# KiCad board ECU.kicad_pcb (continued)
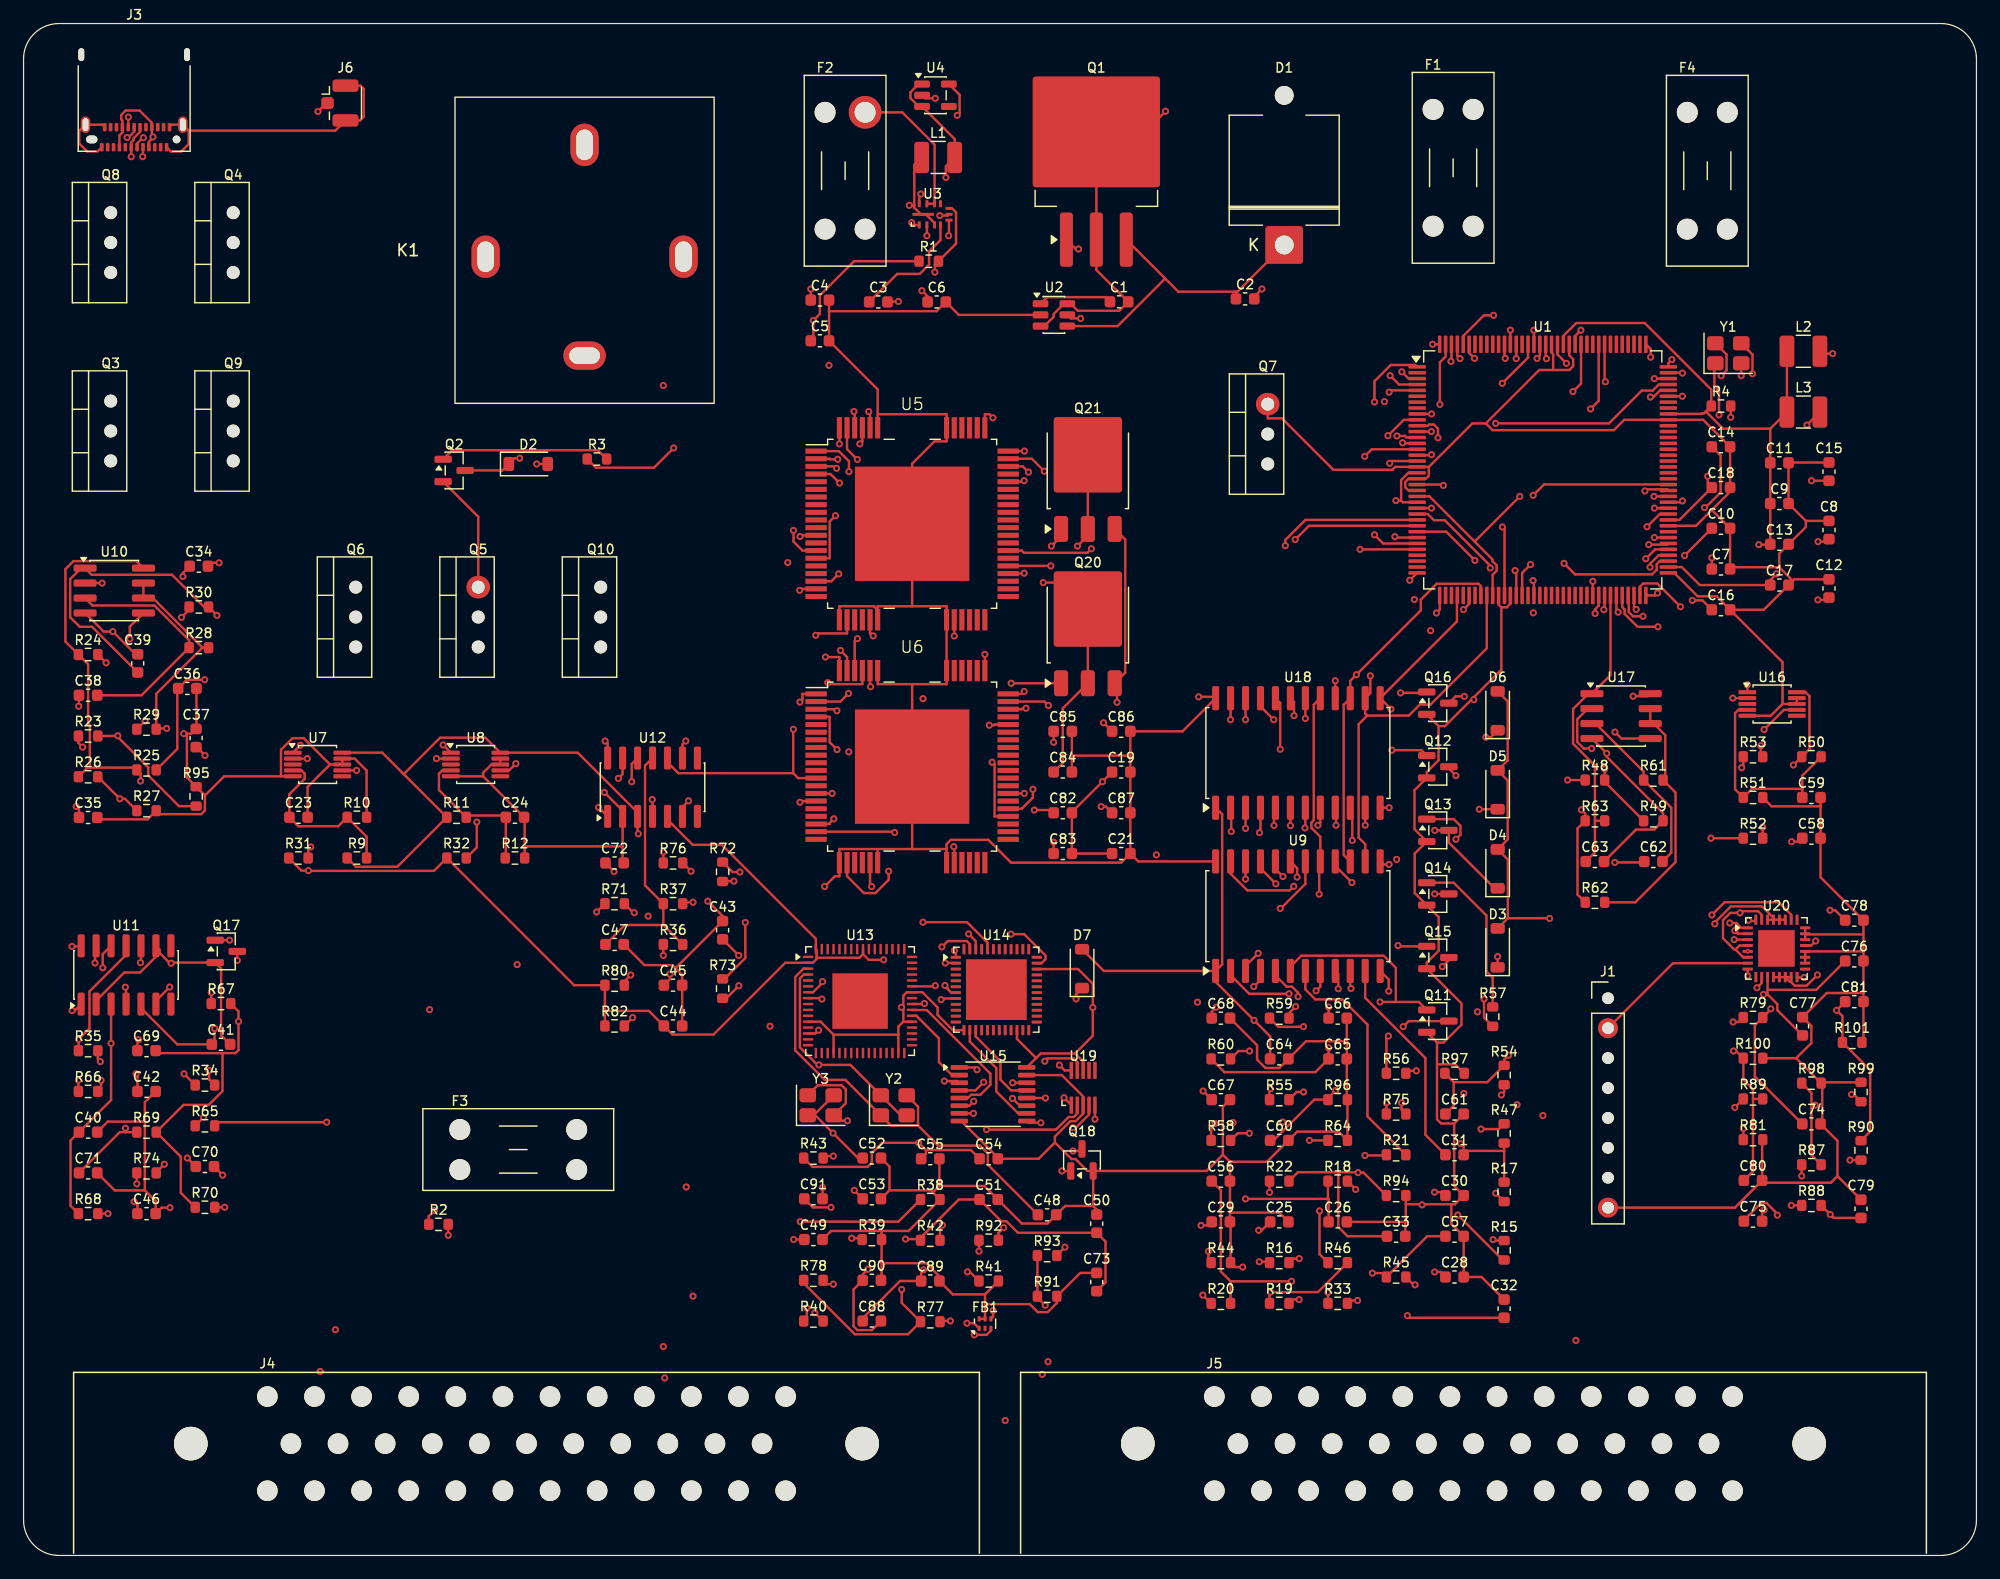
[diagram p0: board, top side]
## Routing (per net, layer and track width the routed paths; a pad name or vN(x,y) marks a point on that pad's centre or on a via; arc(x,y) is an arc through that point) (continued)
SPI_CS_1: length 47.1
  Top w0.2: U1.10 117.18,96.44 v1(115.84,95.09) ; 81.61,75.14 v1(81.61,76.52)
  In4.Cu w0.2: v1(81.61,76.52) 90.11,85.02 90.11,85.71 95.79,91.39 112.72,91.39 115.84,94.51 v1(115.84,95.09)
SPI_CS_2: length 44.4
  Top w0.2: U1.13 117.41,94.94 117.28,95.07 v1(116.6,95.07) ; 111.36,58.94 111.36,58.55 v1(112.78,57.14)
  In1.Cu w0.2: v1(116.6,95.07) 116.44,94.91 116.44,93.07 116.53,92.97 116.53,92.52 112.61,88.59 112.61,62.02 113.36,61.26 113.36,57.73 v1(112.78,57.14)
SPI_CS_3: length 36.4
  Top w0.2: U1.86 v1(138.42,89.94) ; 111.36,72.8 v1(111.36,74.28)
  In2.Cu w0.2: v1(138.42,89.94) 138.33,89.85 137.2,89.85 121.49,74.14 111.5,74.14 v1(111.36,74.28)
SPI_CS_EGT: length 127.2
  Top w0.2: U1.78 139.54,85.84 v1(137.98,85.84) ; v1(78.69,19.92) 77.87,19.92 R77.2 ; v1(81.75,36.16) 87.66,36.16 88.73,37.23 89.15,37.23 89.46,37.54 U19.2
  In1.Cu w0.2: v1(126.79,38.28) 126.79,71.83 134.83,79.86 134.83,82.68 v1(137.98,85.84)
  In2.Cu w0.2: v1(126.79,38.28) 126.38,37.87 83.46,37.87 v1(81.75,36.16)
  In5.Cu w0.2: v1(78.69,19.92) 78.69,33.09 v1(81.75,36.16)
SPI_SCLK: length 119.3
  Top w0.2: v1(87.01,72.17) 86.67,72.51 U6.51 ; v1(115.93,58.69) 115.43,58.69 U9.13 ; U5.51 85.6,93.13 v1(86.66,92.07) ; v1(116.09,71.87) 116.09,71.88 U18.13 121.7,79.32 121.7,81.49 U1.40 ; U19.1 v1(88.34,38.87)
  In3.Cu w0.2: v1(86.66,92.07) 85.97,91.38 85.97,73.21 v1(87.01,72.17) 86.89,72.06 86.89,51.69 88.52,50.06 88.52,39.05 v1(88.34,38.87) ; v1(115.93,58.69) 115.93,59.24 116.77,60.08 116.77,71.19 v1(116.09,71.87)
  In4.Cu w0.2: v1(87.01,72.17) 87.31,71.87 v1(116.09,71.87)
SPI_SI: length 118.5
  Top w0.2: U9.15 112.08,59.49 112.08,72.24 U18.15 112.64,74.27 v1(113.16,74.79) 118.63,80.26 118.63,81.17 119.97,82.51 123.53,82.51 123.73,82.32 U1.44 ; U19.10 88.39,41.19 v1(87.94,41.64) ; v1(85.32,92) 84.83,92.48 83.59,92.48 ; 83.59,71.86 84.75,71.86 84.83,71.94 v1(85.11,71.94)
  In3.Cu w0.2: v1(85.32,92) 84.86,92 84.33,91.47 84.33,82.73 85.51,81.55 85.51,72.35 v1(85.11,71.94) 86.37,70.68 86.37,43.21 v1(87.94,41.64)
  In4.Cu w0.2: v1(85.11,71.94) 87.99,74.83 113.12,74.83 v1(113.16,74.79)
SPI_SO: length 123.8
  Top w0.2: U9.14 113.91,60.4 113.35,60.96 113.35,70.59 114.08,71.32 ; 83.59,73.16 84.75,73.16 84.95,73.37 v1(84.95,73.37) ; 114.08,71.32 117.61,71.32 118.54,72.25 119.45,72.25 124.23,77.04 U1.45 ; 114.08,71.32 113.91,71.5 U18.14 114.34,73.23 v1(114.34,74.7) ; U19.9 89.46,41.9 89.14,42.21 86.95,42.21 v1(86.71,41.97) ; v1(84.97,93.78) 83.59,93.78
  In3.Cu w0.2: v1(84.95,73.37) 84.95,81.52 83.98,82.49 83.98,92.79 v1(84.97,93.78)
  In5.Cu w0.2: v1(86.71,41.97) 84.4,44.28 84.4,72.82 v1(84.95,73.37)
  In6.Cu w0.2: v1(84.95,73.37) 85.05,73.46 112.61,73.46 113.84,74.7 v1(114.34,74.7)
SW: length 16.9
  Top w0.2: 75.62,114.65 75.62,114.45 76.18,113.89 U3.12 76.6,113.89 77.34,113.14 U3.3 ; 75.62,114.65 v1(75.2,114.65) ; 75.62,114.65 75.62,118.09 L1.1 ; v1(74.27,106.49) 73.39,106.49 C3.2
  In5.Cu w0.2: v1(75.2,114.65) 74.27,113.72 v1(74.27,106.49)
TACH_CTRL: length 68.8
  Top w0.2: R59.1 106.52,44.89 108.65,44.89 v1(108.67,44.91) ; v1(138.45,88.94) U1.84
  In1.Cu w0.2: v1(138.45,88.94) 125.7,76.18 125.7,48.17 123.69,46.17 v1(123.43,46.17)
  In6.Cu w0.2: v1(108.67,44.91) 115.08,44.91 116.34,46.17 v1(123.43,46.17)
TACH_GATE: length 34.7
  Top w0.2: v1(108,46.61) 107.44,46.04 107.44,45.63 ; v1(116.9,73.25) 119.06,73.25 Q16.1
  In3.Cu w0.2: v1(116.9,73.25) 117.13,73.02 117.13,54.5 109.23,46.61 v1(108,46.61)
TACH_OUT: length 93.1
  Top w0.2: Q16.3 121.58,72.95 v1(122.32,72.95) ; v1(104.09,42.84) 103.15,42.84 R60.2
  In2.Cu w0.2: v1(122.28,39.24) 112.74,39.24 109.14,42.84 v1(104.09,42.84)
  In3.Cu w0.2: J5.30 124.86,5.5 121.52,8.84 121.52,10.75 122.68,11.91 122.68,38.88 122.32,39.24 ; v1(122.32,72.95) 122.57,72.7 122.57,39.49 122.32,39.24 ; 122.32,39.24 v1(122.28,39.24)
TPS1_ADC: length 55.1
  Top w0.2: 146.83,38.77 146.83,32.62 C80.1 ; 146.83,38.77 146.83,39.59 146.01,40.42 R100.1 145.4,42.84 v1(145.18,42.84) ; 146.83,38.77 R89.2 ; v1(136.91,80.33) 136.73,80.52 U1.70
  In1.Cu w0.2: v1(136.91,80.33) 136.91,73.49 137.29,73.11 137.29,50.72 v1(145.18,42.84)
TPS1_SIG: length 123.1
  Top w0.2: R89.1 v1(145.29,38.05)
  In4.Cu w0.2: v1(145.29,38.05) 132.19,24.95 109.06,24.95 107.94,23.83 107.43,23.83 106.73,23.14 79.59,23.14 64.32,7.86 39.06,7.86 J4.28
TPS2_ADC: length 58.5
  Top w0.2: 156,35.22 156.78,36 156.78,41.21 154.42,43.57 154.42,45.8 v1(153.93,46.3) C81.1 ; U1.71 137.23,82.26 137.51,82.54 138.7,82.54 v1(140.67,80.57)
  In3.Cu w0.2: v1(140.67,80.57) 153.93,67.31 v1(153.93,46.3)
TPS2_SIG: length 133.1
  Top w0.2: R90.1 v1(155.06,33.57)
  In1.Cu w0.2: J4.29 40.94,5.5 44.82,9.38 44.82,10.06 46.7,11.93 46.7,21.73 v1(56.26,31.29)
  In2.Cu w0.2: v1(56.26,31.29) 58.33,33.36 154.85,33.36 v1(155.06,33.57)
TPS_ADC: length 163.3
  Top w0.2: R95.1 13.2,63.63 10.58,66.25 10.58,66.92 7.95,69.55 ; v1(13.53,83.13) 13.53,83.43 C34.1 ; R23.2 7.91,69.59 7.95,69.55 ; U1.75 138.9,84.44 138.65,84.18 138.65,83.71 138.26,83.31 131.72,83.31 v1(130.79,84.25) ; 7.95,69.55 v1(8,69.61)
  In3.Cu w0.2: v1(8,69.61) 8,77.6 v1(13.53,83.13)
  In4.Cu w0.2: v1(130.79,84.25) 130.14,83.59 127.83,83.59 126.32,82.08 88.38,82.08 82.25,75.96 69.41,75.96 68.04,77.34 55.64,77.34 48.09,84.88 15.28,84.88 v1(13.53,83.13)
TPS_SIG: length 149.4
  Top w0.2: R23.1 4.66,69 v1(5.02,68.64)
  In2.Cu w0.2: v1(26.48,19.17) 80.32,19.17 80.46,19.31 107.28,19.31 J5.4
  In5.Cu w0.2: v1(26.48,19.17) 24.98,19.17 5.23,38.92 5.23,68.43 v1(5.02,68.64)
USB_CC1: length 125.5
  Top w0.2: v1(10.11,118.78) 10.14,118.81 J3.A5 ; R38.1 74.27,28.34 v1(65.94,28.34)
  In5.Cu w0.2: v1(10.11,118.78) 10.11,113.33 22.94,100.5 22.94,71.16 65.76,28.34 v1(65.94,28.34)
USB_CC2: length 123.1
  Top w0.2: v1(70.31,26.94) 71.08,26.94 R39.1 ; v1(8.89,122.14) 8.89,122.14 J3.B5
  In5.Cu w0.2: v1(8.89,122.14) 10.09,122.14 11.59,120.64 11.59,112.85 23.66,100.78 23.66,75.82 66.95,32.53 66.95,30.3 v1(70.31,26.94)
USB_DM: length 113.2
  Top w0.2: J3.B7 9.89,120.89 9.34,120.35 9.34,120.19 9.14,119.98 J3.A7 v1(9.14,118.78) ; v1(67.83,48.73) 67.83,48.63 67.03,47.83 U13.7
  In2.Cu w0.2: v1(67.83,48.73) 66.38,50.18 v1(41.91,50.18)
  In3.Cu w0.2: v1(41.91,50.18) 41.91,66.25 38.29,69.87 38.29,71.35 31.88,77.75 31.88,91.61 9.14,114.35 v1(9.14,118.78)
USB_DP: length 122.6
  Top w0.2: v1(8.79,120.41) 8.91,120.41 9.39,120.89 J3.B6 ; v1(10.17,120.39) 10.13,120.39 9.64,119.9 J3.A6 ; U13.8 67.7,47.33 v1(67.78,47.25)
  In1.Cu w0.2: v1(34.47,46.35) 34.47,68.3 10.83,91.94 10.83,119.73 v1(10.17,120.39)
  In2.Cu w0.2: v1(10.17,120.39) 8.81,120.39 v1(8.79,120.41)
  In6.Cu w0.2: v1(67.78,47.25) 35.37,47.25 v1(34.47,46.35)
USB_PRESENT: length 36
  Top w0.2: U15.1 80.75,41.44 v1(80.95,41.25) ; v1(80.14,24.08) 80.34,24.08 R41.1 ; R40.2 v1(67.18,20.61)
  In1.Cu w0.2: v1(80.14,24.08) 80.14,32.04 81.2,33.09 81.2,38.31 81.23,38.34 81.23,38.8 81.2,38.83 81.2,39.03 80.95,39.28 v1(80.95,41.25)
  In4.Cu w0.2: v1(80.14,24.08) 77.02,24.08 73.54,20.61 v1(67.18,20.61)
USB_VBUS: length 132
  Top w0.2: v1(66.5,21.01) 66.5,20.18 R40.1 ; J3.A9 8.14,120.59 8.39,120.84 J3.B4 8.39,121.86 8.29,121.96 8.29,122.32 8.66,122.69 9.86,122.69 10.89,121.66 J3.B9 10.89,120.56 v1(10.99,120.46) 10.99,120.39 10.64,120.04 J3.A4
  In5.Cu w0.2: v1(10.99,120.46) 10.99,112.95 23.31,100.63 23.31,75.49 66.5,32.29 v1(66.5,21.01)
VCAP1: length 6.3
  Top w0.2: U2.1 86.9,106.85 91.84,106.85 C1.1
VVT1_CTRL: length 74.4
  Top w0.2: U1.129 127.73,101.73 v1(125.54,99.54) ; R55.1 105.78,39.56 v1(105.86,39.64)
  In5.Cu w0.2: v1(105.86,39.64) 105.76,39.74 105.76,57.29 106.71,58.24 108.47,58.24 112.04,61.8 112.04,74.47 118.19,80.63 118.3,80.63 118.63,80.95 118.63,81.19 125.54,88.11 v1(125.54,99.54)
VVT1_GATE: length 36.9
  Top w0.2: v1(116.17,68.38) 118.68,68.38 Q12.1 ; v1(108.68,39.36) 108.09,39.36 107.44,38.71
  In5.Cu w0.2: v1(108.68,39.36) 109.3,39.98 109.3,45.72 109.11,45.91 109.11,58.26 116.17,65.33 v1(116.17,68.38)
VVT1_OUT: length 71.9
  Top w0.2: v1(121.61,66.22) 121.01,66.82 Q12.3 ; D3.1 125.15,50.85 v1(125.15,50.85)
  In1.Cu w0.2: v1(121.61,66.22) 125.15,62.68 v1(125.15,50.85)
  In5.Cu w0.2: J5.26 109.1,10.33 111.1,12.33 111.1,15.48 115.46,19.84 115.46,37.19 115.12,37.53 115.12,38.65 117.08,40.6 118.52,40.6 118.8,40.88 118.8,44.5 v1(125.15,50.85)
VVT2_CTRL: length 69.4
  Top w0.2: R56.1 115.71,43.94 v1(115.87,44.11) ; v1(126.23,104.05) U1.132
  In5.Cu w0.2: v1(126.23,104.05) 125.24,103.06 125.24,100.69 126.1,99.83 126.1,86.48 120.99,81.36 120.99,51.98 115.87,46.86 v1(115.87,44.11)
VVT2_GATE: length 29.3
  Top w0.2: v1(118.25,41.16) 117.56,41.16 R56.2 ; v1(121.61,60.82) 122,61.21 122,61.95 121.42,62.53 Q13.1
  In3.Cu w0.2: v1(121.61,60.82) 121.61,54.43 115.34,48.16 115.34,47.6 115.71,47.23 115.71,44.73 115.32,44.34 115.32,43.88 118.04,41.16 v1(118.25,41.16)
VVT2_OUT: length 68.2
  Top w0.2: v1(119.81,61.58) Q13.3 121.01,60.54 124.89,56.66 D4.1
  In3.Cu w0.2: v1(119.81,61.58) 117.83,59.6 117.83,51.65 114.26,48.08 114.26,34.87 114.79,34.34 114.79,25.52 113.61,24.35 113.61,23.6 114.67,22.54 114.67,12.08 113.1,10.51 J5.27
XTAL: length 32.5
  Top w0.2: U1.48 125.73,87.16 v1(125.55,87.34) ; Y1.2 v1(145.83,100.18)
  In6.Cu w0.2: v1(145.83,100.18) 132.98,87.34 v1(125.55,87.34)

## Copper pours and planes (outline as drawn; the poured copper is in the pictures)
+3V3 on In4.Cu: 0.45,129.64 165.35,129.64 165.35,0.45 0.45,0.45
GND on In1.Cu: 0.45,129.64 165.35,129.64 165.35,0.45 0.45,0.45
GND on In3.Cu: 0.45,129.64 165.35,129.64 165.35,0.45 0.45,0.45
GND on In6.Cu: 0.45,129.64 165.35,129.64 165.35,0.45 0.45,0.45
